# Allegro board 8880F5-0820_5.brd (continued)
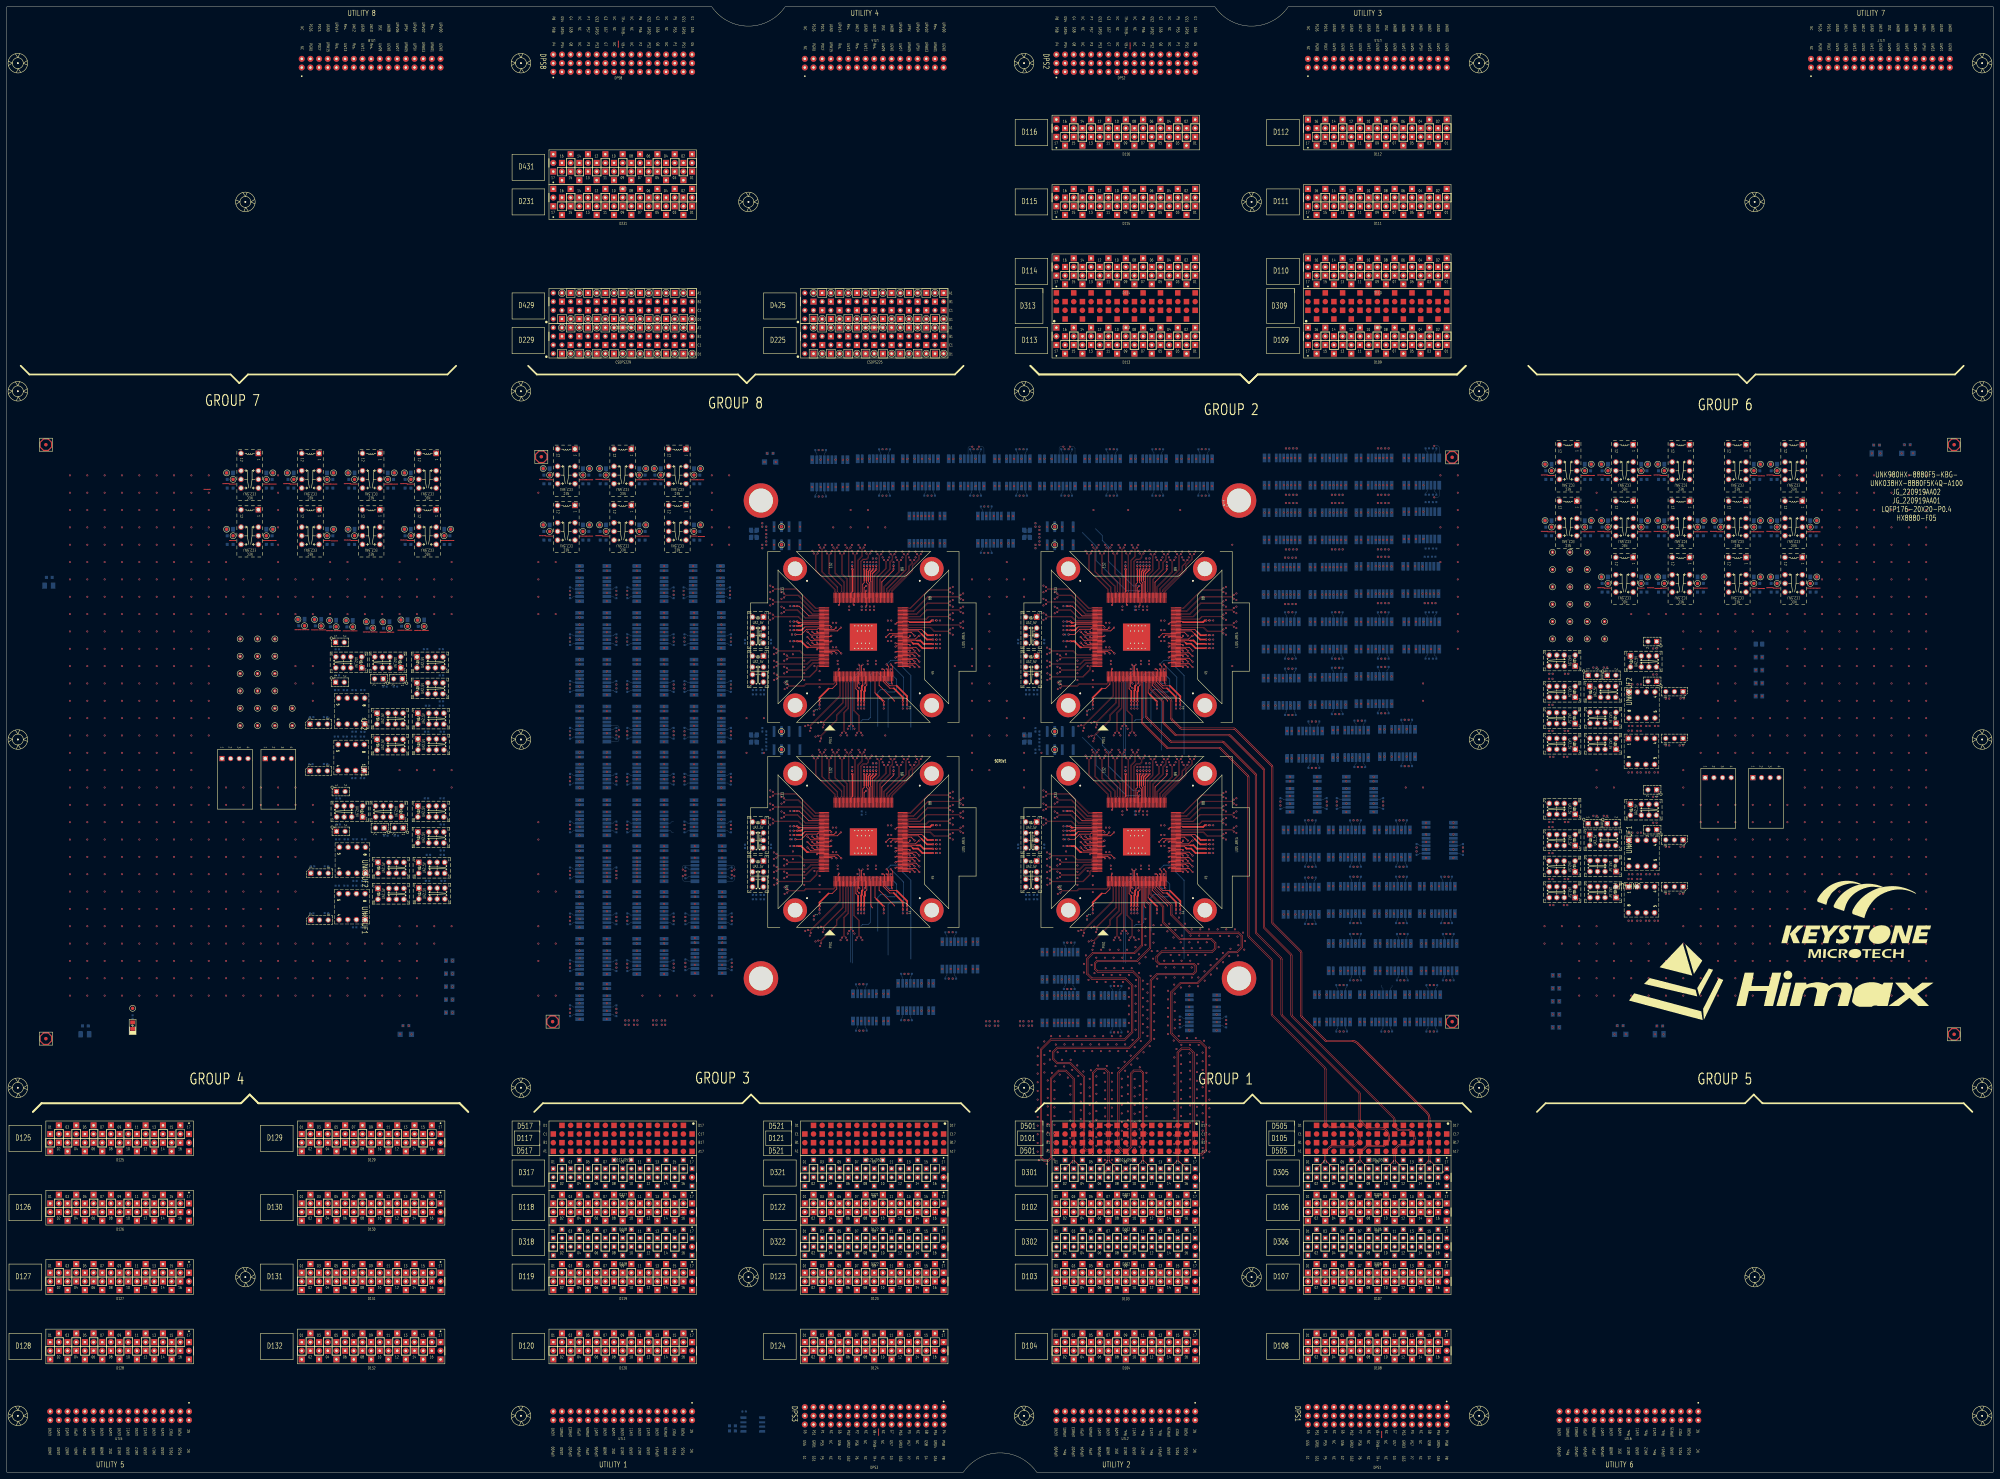
[diagram p0: board, top side]
## Routing (per net, layer and track width the routed paths; a pad name or vN(x,y) marks a point on that pad's centre or on a via; arc(x,y) is an arc through that point) (continued)
v1(329.11,122.03) v1(329.18,150.72) v1(329.27,119.4) v1(329.39,147.64) v1(329.64,126.65) v1(330.27,124.49) v1(330.24,115.18) v1(330.24,112.64) v1(330.24,110.1) v1(330.24,107.56) v1(330.24,105.02) v1(330.24,102.48) v1(330.24,99.94) v1(330.24,97.4) v1(330.24,94.86) v1(330.49,153.78) v1(330.53,142.33) v1(330.53,139.79) v1(330.53,137.25) v1(330.53,134.71) v1(330.53,132.17) v1(330.53,129.63) v1(330.63,252.59) v1(330.63,192.59) v1(330.68,144.21) v1(331.07,121.2) v1(331.44,161.22) v1(331.44,158.68) v1(331.44,156.14) v1(331.52,151.7) v1(331.53,146.28) v1(331.66,149.05) v1(331.74,118.61) v1(331.73,113.12) v1(331.73,110.58) v1(331.73,108.04) v1(331.73,105.5) v1(331.73,102.96) v1(331.73,100.42) v1(331.73,97.88) v1(331.73,95.34) v1(332.06,126.28) v1(332.61,296.86) v1(332.61,288.86) v1(332.65,143.99) v1(332.65,141.45) v1(332.65,138.91) v1(332.65,136.37) v1(332.65,133.83) v1(332.65,131.29) v1(332.65,128.75) v1(332.86,122.99) v1(333.42,162.1) v1(333.42,159.56) v1(333.42,157.02) v1(333.42,154.48) v1(333.45,150.84) v1(333.7,116.99) v1(333.7,114.45) v1(333.7,111.91) v1(333.7,109.37) v1(333.7,106.83) v1(333.7,104.29) v1(333.7,101.75) v1(333.7,99.21) v1(333.7,96.67) v1(333.7,94.13) v1(334.01,143.03) v1(334.01,140.49) v1(334.01,137.95) v1(334.01,135.41) v1(334.01,132.87) v1(334.01,130.33) v1(334.01,127.79) v1(334.61,267.66) v1(334.61,207.66) v1(334.66,124.79) v1(334.81,296.86) v1(334.81,288.86) v1(334.92,145.4) v1(335.25,152.64) v1(335.67,150.44) v1(335.77,160.2) v1(335.77,157.66) v1(335.77,155.12) v1(335.98,142.2) v1(335.98,139.66) v1(335.98,137.12) v1(335.98,134.58) v1(335.98,132.04) v1(335.98,129.5) v1(335.98,126.96) v1(336.82,148.17) v1(336.94,152.64) v1(336.88,144.57) v1(337.01,296.86) v1(337.01,288.86) v1(337.99,246.67) v1(337.99,186.67) v1(338.04,160.24) v1(338.92,149.82) v1(339.33,153.5) v1(339.33,147.85) v1(339.46,296.86) v1(339.46,288.86) v1(339.4,144.91) v1(339.84,158.44) v1(340.04,141.03) v1(340.02,138.49) v1(340.02,135.95) v1(340.02,133.41) v1(340.02,130.87) v1(340.02,128.33) v1(340.39,160.67) v1(340.8,151.53) v1(341.46,149.82) v1(341.64,156.64) v1(341.7,126.43) v1(341.87,153.5) v1(341.87,147.85) v1(341.84,142.83) v1(341.94,144.91) v1(341.89,121.5) v1(341.89,118.96) v1(341.89,116.42) v1(341.89,113.88) v1(341.89,111.34) v1(341.89,108.8) v1(341.89,106.26) v1(341.89,103.72) v1(341.89,101.18) v1(341.89,98.64) v1(341.89,96.1) v1(341.89,93.56) v1(341.99,140.18) v1(341.99,137.64) v1(341.99,135.1) v1(341.99,132.56) v1(341.99,130.02) v1(342.19,158.88) v1(342.51,123.96) v1(342.63,296.86) v1(342.63,288.86) v1(343.16,127.76) v1(343.21,162.47) v1(343.34,151.53) v1(343.6,281.85) v1(343.74,155.22) v1(343.78,141.98) v1(343.86,122.08) v1(343.86,119.54) v1(343.86,117) v1(343.86,114.46) v1(343.86,111.92) v1(343.86,109.38) v1(343.86,106.84) v1(343.86,104.3) v1(343.86,101.76) v1(343.86,99.22) v1(343.86,96.68) v1(343.86,94.14) v1(343.92,125.19) v1(344,149.82) v1(344.09,157.19) v1(344.41,153.5) v1(344.41,147.85) v1(344.48,144.91) v1(345.01,160.68) v1(345.63,127.17) v1(345.88,151.53) v1(346.08,296.86) v1(346.08,288.86) v1(346.28,155.22) v1(346.27,139.72) v1(346.27,136.27) v1(346.27,134.07) v1(346.27,131.87) v1(346.27,129.42) v1(346.29,142.34) v1(346.32,122.68) v1(346.46,125.19) v1(346.54,149.82) v1(346.52,120.15) v1(346.52,117.61) v1(346.52,115.07) v1(346.52,112.53) v1(346.52,109.99) v1(346.52,107.45) v1(346.52,104.91) v1(346.52,102.37) v1(346.52,99.83) v1(346.52,97.29) v1(346.52,94.75) v1(346.63,157.19) v1(346.93,159.01) v1(346.95,153.5) v1(346.95,147.85) v1(347.02,144.91) v1(347.81,92.56) v1(348.17,127.17) v1(348.28,296.86) v1(348.28,288.86) v1(348.42,151.53) v1(348.49,122.29) v1(348.49,119.75) v1(348.49,117.21) v1(348.49,114.67) v1(348.49,112.13) v1(348.49,109.59) v1(348.49,107.05) v1(348.49,104.51) v1(348.49,101.97) v1(348.49,99.43) v1(348.49,96.89) v1(348.82,155.22) v1(348.83,142.34) v1(348.91,148.9) v1(348.91,144.92) v1(349,125.17) v1(349.17,157.19) v1(349.47,159.01) v1(349.49,153.5) v1(350.17,122.92) v1(350.17,120.38) v1(350.17,117.84) v1(350.17,115.3) v1(350.17,112.76) v1(350.17,110.22) v1(350.17,107.68) v1(350.17,105.14) v1(350.17,102.6) v1(350.17,100.06) v1(350.17,97.52) v1(350.17,94.98) v1(350.31,92.12) v1(350.48,296.86) v1(350.48,288.86) v1(350.58,126.38) v1(350.71,146.72) v1(350.77,143.99) v1(350.96,151.53) v1(351.36,155.22) v1(351.71,157.19) v1(352.01,159.01) v1(352.14,124.37) v1(352.14,121.83) v1(352.14,119.29) v1(352.14,116.75) v1(352.14,114.21) v1(352.14,111.67) v1(352.14,109.13) v1(352.14,106.59) v1(352.14,104.05) v1(352.14,101.51) v1(352.14,98.97) v1(352.14,96.43) v1(352.13,93.89) v1(352.5,148.51) v1(352.56,145.78) v1(352.93,296.86) v1(352.93,288.86) v1(354.27,139.72) v1(354.27,136.27) v1(354.27,134.07) v1(354.27,131.87) v1(354.27,129.42) v1(354.3,150.31) v1(354.36,147.58) v1(354.55,159.01) v1(354.85,153.79) v1(355.29,157.04) v1(356.1,152.1) v1(356.15,149.37) v1(357.09,159.01) v1(357.83,157.04) v1(357.95,151.17) v1(358.32,153.33) v1(358.84,271.69) v1(358.84,236.13) v1(359.63,159.01) v1(360.37,156.9) v1(360.48,151.36) v1(360.64,154.37) v1(361.99,158.07) v1(362.36,153.08) v1(362.61,155.6) v1(368.03,265.11) v1(368.03,257.11) v1(368.03,249.11) v1(368.03,241.11) v1(368.03,232.6) v1(368.03,224.6) v1(368.28,297.12) v1(368.28,289.12) v1(368.28,281.11) v1(368.28,273.11) v1(371.48,265.11) v1(371.48,257.11) v1(371.48,249.11) v1(371.48,241.11) v1(371.48,232.6) v1(371.48,224.6) v1(371.73,297.12) v1(371.73,289.12) v1(371.73,281.11) v1(371.73,273.11) v1(373.68,265.11) v1(373.68,257.11) v1(373.68,249.11) v1(373.68,241.11) v1(373.68,232.6) v1(373.68,224.6) v1(373.87,188.15) v1(373.87,180.15) v1(373.87,171.39) v1(373.87,163.39) v1(373.93,297.12) v1(373.93,289.12) v1(373.93,281.11) v1(373.93,273.11) v1(374.88,217.11) v1(374.88,209.11) v1(375.73,203.73) v1(375.73,200.28) v1(375.73,198.08) v1(375.73,195.88) v1(375.73,193.43) v1(375.88,265.11) v1(375.88,257.11) v1(375.88,249.11) v1(375.88,241.11) v1(375.88,232.6) v1(375.88,224.6) v1(376.13,297.12) v1(376.13,289.12) v1(376.13,281.11) v1(376.13,273.11) v1(377.32,188.15) v1(377.32,180.15) v1(377.32,171.39) v1(377.32,163.39) v1(378.33,265.11) v1(378.33,257.11) v1(378.33,249.11) v1(378.33,241.11) v1(378.33,232.6) v1(378.33,224.6) v1(378.33,217.11) v1(378.33,209.11) v1(378.58,297.12) v1(378.58,289.12) v1(378.58,281.11) v1(378.58,273.11) v1(379.52,188.15) v1(379.52,180.15) v1(379.52,171.39) v1(379.52,163.39) v1(380.53,217.11) v1(380.53,209.11) v1(381.74,297.12) v1(381.74,289.12) v1(381.74,281.11) v1(381.74,273.11) v1(381.74,265.11) v1(381.74,257.11) v1(381.74,249.11) v1(381.74,241.11) v1(381.74,232.85) v1(381.74,224.85) v1(381.72,188.15) v1(381.72,180.15) v1(381.72,171.39) v1(381.72,163.39) v1(382.73,217.11) v1(382.73,209.11) v1(383.01,139.89) v1(383.01,131.89) v1(383.73,203.73) v1(383.73,200.28) v1(383.73,198.08) v1(383.73,195.88) v1(383.73,193.43) v1(384.17,188.15) v1(384.17,180.15) v1(384.17,171.39) v1(384.17,163.39) v1(385.19,297.12) v1(385.19,289.12) v1(385.19,281.11) v1(385.19,273.11) v1(385.19,265.11) v1(385.19,257.11) v1(385.19,249.11) v1(385.19,241.11) v1(385.19,232.85) v1(385.19,224.85) v1(385.18,217.11) v1(385.18,209.11) v1(386.46,139.89) v1(386.46,131.89) v1(387.08,188.15) v1(387.08,180.15) v1(387.08,171.64) v1(387.08,163.64) v1(387.08,154.88) v1(387.08,146.88) v1(387.39,297.12) v1(387.39,289.12) v1(387.39,281.11) v1(387.39,273.11) v1(387.39,265.11) v1(387.39,257.11) v1(387.39,249.11) v1(387.39,241.11) v1(387.39,232.85) v1(387.39,224.85) v1(388.35,217.36) v1(388.35,209.36) v1(388.66,139.89) v1(388.66,131.89) v1(389.59,297.12) v1(389.59,289.12) v1(389.59,281.11) v1(389.59,273.11) v1(389.59,265.11) v1(389.59,257.11) v1(389.59,249.11) v1(389.59,241.11) v1(389.59,232.85) v1(389.59,224.85) v1(390.53,188.15) v1(390.53,180.15) v1(390.53,171.64) v1(390.53,163.64) v1(390.53,154.88) v1(390.53,146.88) v1(390.86,139.89) v1(390.86,131.89) v1(391.8,217.36) v1(391.8,209.36) v1(392.04,297.12) v1(392.04,289.12) v1(392.04,281.11) v1(392.04,273.11) v1(392.04,265.11) v1(392.04,257.11) v1(392.04,249.11) v1(392.04,241.11) v1(392.04,232.85) v1(392.04,224.85) v1(392.24,203.73) v1(392.24,200.28) v1(392.24,198.08) v1(392.24,195.88) v1(392.24,193.43) v1(392.73,188.15) v1(392.73,180.15) v1(392.73,171.64) v1(392.73,163.64) v1(392.73,154.88) v1(392.73,146.88) v1(393.31,139.89) v1(393.31,131.89) v1(394,217.36) v1(394,209.36) v1(394.93,188.15) v1(394.93,180.15) v1(394.93,171.64) v1(394.93,163.64) v1(394.93,154.88) v1(394.93,146.88) v1(395.2,297.12) v1(395.2,289.12) v1(395.2,281.11) v1(395.2,273.11) v1(395.2,265.37) v1(395.2,257.37) v1(395.2,249.11) v1(395.2,241.11) v1(395.2,233.11) v1(395.2,225.11) v1(396.2,217.36) v1(396.2,209.36) v1(396.22,139.89) v1(396.22,131.89) v1(397.38,188.15) v1(397.38,180.15) v1(397.38,171.64) v1(397.38,163.64) v1(397.38,154.88) v1(397.38,146.88) v1(398.65,297.12) v1(398.65,289.12) v1(398.65,281.11) v1(398.65,273.11) v1(398.65,265.37) v1(398.65,257.37) v1(398.65,249.11) v1(398.65,241.11) v1(398.65,233.11) v1(398.65,225.11) v1(398.65,217.36) v1(398.65,209.36) v1(399.67,139.89) v1(399.67,131.89) v1(400.24,203.73) v1(400.24,200.28) v1(400.24,198.08) v1(400.24,195.88) v1(400.24,193.43) v1(400.54,188.15) v1(400.54,180.15) v1(400.54,171.64) v1(400.54,163.64) v1(400.85,297.12) v1(400.85,289.12) v1(400.85,281.11) v1(400.85,273.11) v1(400.85,265.37) v1(400.85,257.37) v1(400.85,249.11) v1(400.85,241.11) v1(400.85,233.11) v1(400.85,225.11) v1(400.79,154.88) v1(400.79,146.88) v1(401.87,139.89) v1(401.87,131.89) v1(402.06,217.61) v1(402.06,209.61) v1(403.05,297.12) v1(403.05,289.12) v1(403.05,281.11) v1(403.05,273.11) v1(403.05,265.37) v1(403.05,257.37) v1(403.05,249.11) v1(403.05,241.11) v1(403.05,233.11) v1(403.05,225.11) v1(403.99,188.15) v1(403.99,180.15) v1(403.99,171.64) v1(403.99,163.64) v1(404.07,139.89) v1(404.07,131.89) v1(404.24,154.88) v1(404.24,146.88) v1(405.5,297.12) v1(405.5,289.12) v1(405.5,281.11) v1(405.5,273.11) v1(405.5,265.37) v1(405.5,257.37) v1(405.5,249.11) v1(405.5,241.11) v1(405.5,233.11) v1(405.5,225.11) v1(405.51,217.61) v1(405.51,209.61) v1(406.19,188.15) v1(406.19,180.15) v1(406.19,171.64) v1(406.19,163.64) v1(406.44,154.88) v1(406.44,146.88) v1(406.52,139.89) v1(406.52,131.89) v1(407.71,217.61) v1(407.71,209.61) v1(408.39,188.15) v1(408.39,180.15) v1(408.39,171.64) v1(408.39,163.64) v1(408.64,154.88) v1(408.64,146.88) v1(408.92,265.37) v1(408.92,257.37) v1(409.17,297.12) v1(409.17,289.12) v1(409.17,281.37) v1(409.17,273.37) v1(409.17,249.11) v1(409.17,241.11) v1(409.43,139.89) v1(409.43,131.89) v1(409.64,200.57) v1(409.91,217.61) v1(409.91,209.61) v1(410.84,188.15) v1(410.84,180.15) v1(410.84,171.64) v1(410.84,163.64) v1(411.09,154.88) v1(411.09,146.88) v1(412.37,265.37) v1(412.37,257.37) v1(412.36,217.61) v1(412.36,209.61) v1(412.62,297.12) v1(412.62,289.12) v1(412.62,281.37) v1(412.62,273.37) v1(412.62,249.11) v1(412.62,241.11) v1(412.88,139.89) v1(412.88,131.89) v1(413.75,171.64) v1(413.75,163.64) v1(414.02,90.11) v1(414.25,154.88) v1(414.25,146.88) v1(414.57,265.37) v1(414.57,257.37) v1(414.72,231.05) v1(414.72,225.97) v1(414.72,200.57) v1(414.82,297.12) v1(414.82,289.12) v1(414.82,281.37) v1(414.82,273.37) v1(414.82,249.11) v1(414.82,241.11) v1(415.08,139.89) v1(415.08,131.89) v1(415.61,190.27) v1(415.61,186.82) v1(415.61,184.62) v1(415.61,182.42) v1(415.61,179.97) v1(416.77,257.37) v1(417.02,249.11) v1(417.02,241.11) v1(417.2,171.64) v1(417.2,163.64) v1(417.28,139.89) v1(417.28,131.89) v1(417.7,154.88) v1(417.7,146.88) v1(419.22,257.37) v1(419.47,249.11) v1(419.47,241.11) v1(419.4,171.64) v1(419.4,163.64) v1(419.73,139.89) v1(419.73,131.89) v1(419.8,292.01) v1(419.8,276.77) v1(419.8,266.61) v1(419.9,154.88) v1(419.9,146.88) v1(420.61,87.99) v1(421.6,171.64) v1(421.6,163.64) v1(422.1,154.88) v1(422.1,146.88) v1(423.61,190.27) v1(423.61,186.82) v1(423.61,184.62) v1(423.61,182.42) v1(423.61,179.97) v1(424.05,171.64) v1(424.05,163.64) v1(424.55,154.88) v1(424.55,146.88) v1(424.88,292.01) v1(424.88,286.93) v1(424.88,281.85) v1(424.88,276.77) v1(424.88,271.69) v1(424.88,266.61) v1(424.88,261.53) v1(424.88,256.45) v1(424.88,251.37) v1(424.88,246.29) v1(424.88,241.21) v1(450.28,159.93) v1(450.28,154.85) v1(452.68,233.88) v1(452.68,190.45) v1(452.68,145.54) v1(452.68,141.73) v1(454.61,137.92) v1(454.61,134.11) v1(454.61,130.3) v1(455.36,159.93) v1(455.36,154.85) v1(460.44,159.93) v1(460.44,154.85) v1(460.44,149.77) v1(460.44,144.69) v1(460.44,139.61) v1(465.52,286.93) v1(465.52,281.85) v1(465.52,205.65) v1(465.52,200.57) v1(465.52,159.93) v1(465.52,154.85) v1(465.52,149.77) v1(465.52,144.69) v1(465.52,139.61) v1(467.62,235.71) v1(467.62,192.28) v1(470.6,200.57) v1(470.6,154.85) v1(470.6,149.77) v1(470.6,144.69) v1(470.6,139.61) v1(475.68,251.37) v1(475.68,154.85) v1(475.68,149.77) v1(475.68,144.69) v1(475.68,139.61) v1(475.89,204.98) v1(475.89,161.55) v1(475.99,218.59) v1(475.99,175.15) v1(480.76,251.37) v1(480.76,154.85) v1(480.76,149.77) v1(480.76,144.69) v1(480.76,139.61) v1(485.84,251.37) v1(485.84,154.85) v1(485.84,149.77) v1(485.84,144.69) v1(485.84,139.61) v1(486.8,226.62) v1(486.8,212.91) v1(486.8,183.19) v1(486.8,169.47) v1(490.92,251.37) v1(490.92,246.29) v1(490.92,241.21) v1(490.92,236.13) v1(490.92,220.89) v1(490.92,205.65) v1(490.92,200.57) v1(490.92,195.49) v1(490.92,159.93) v1(490.92,154.85) v1(490.92,149.77) v1(490.92,144.69) v1(490.92,139.61) v1(496,251.37) v1(496,246.29) v1(496,241.21) v1(496,236.13) v1(496,220.89) v1(496,210.73) v1(496,195.49) v1(496,190.41) v1(496,180.25) v1(496,175.17) v1(496,165.01) v1(496,159.93) v1(496,154.85) v1(496,149.77) v1(496,144.69) v1(496,139.61) v1(501.08,251.37) v1(501.08,246.29) v1(501.08,241.21) v1(501.08,236.13) v1(501.08,231.05) v1(501.08,225.97) v1(501.08,220.89) v1(501.08,215.81) v1(501.08,210.73) v1(501.08,195.49) v1(501.08,190.41) v1(501.08,185.33) v1(501.08,180.25) v1(501.08,175.17) v1(501.08,170.09) v1(501.08,165.01) v1(501.08,159.93) v1(501.08,154.85) v1(501.08,149.77) v1(501.08,144.69) v1(501.08,139.61) v1(506.16,251.37) v1(506.16,246.29) v1(506.16,241.21) v1(506.16,236.13) v1(506.16,231.05) v1(506.16,225.97) v1(506.16,220.89) v1(506.16,215.81) v1(506.16,210.73) v1(506.16,195.49) v1(506.16,190.41) v1(506.16,185.33) v1(506.16,180.25) v1(506.16,175.17) v1(506.16,170.09) v1(506.16,165.01) v1(506.16,159.93) v1(506.16,154.85) v1(506.16,149.77) v1(506.16,144.69) v1(506.16,139.61) v1(511.24,251.37) v1(511.24,246.29) v1(511.24,220.89) v1(511.24,215.81) v1(511.24,210.73) v1(511.24,195.49) v1(511.24,190.41) v1(511.24,185.33) v1(511.24,180.25) v1(511.24,175.17) v1(511.24,170.09) v1(511.24,165.01) v1(511.24,159.93) v1(511.24,154.85) v1(511.24,149.77) v1(511.24,144.69) v1(511.24,139.61) v1(514.05,238.76) v1(514.05,234.95) v1(514.05,231.14) v1(514.05,227.33) v1(516.32,251.37) v1(516.32,246.29) v1(516.32,220.89) v1(516.32,215.81) v1(516.32,210.73) v1(516.32,195.49) v1(516.32,190.41) v1(516.32,185.33) v1(516.32,180.25) v1(516.32,175.17) v1(516.32,170.09) v1(516.32,165.01) v1(516.32,159.93) v1(516.32,154.85) v1(516.32,149.77) v1(516.32,144.69) v1(516.32,139.61) v1(521.4,251.37) v1(521.4,246.29) v1(521.4,241.21) v1(521.4,236.13) v1(521.4,231.05) v1(521.4,225.97) v1(521.4,220.89) v1(521.4,215.81) v1(521.4,210.73) v1(521.4,195.49) v1(521.4,190.41) v1(521.4,185.33) v1(521.4,180.25) v1(521.4,175.17) v1(521.4,170.09) v1(521.4,165.01) v1(521.4,159.93) v1(521.4,154.85) v1(521.4,149.77) v1(521.4,144.69) v1(521.4,139.61) v1(526.48,251.37) v1(526.48,246.29) v1(526.48,241.21) v1(526.48,236.13) v1(526.48,231.05) v1(526.48,225.97) v1(526.48,220.89) v1(526.48,215.81) v1(526.48,210.73) v1(526.48,205.65) v1(526.48,200.57) v1(526.48,195.49) v1(526.48,190.41) v1(526.48,185.33) v1(526.48,180.25) v1(526.48,175.17) v1(526.48,170.09) v1(526.48,165.01) v1(526.48,159.93) v1(526.48,154.85) v1(526.48,149.77) v1(526.48,144.69) v1(526.48,139.61) v1(531.56,292.01) v1(531.56,286.93) v1(531.56,281.85) v1(531.56,276.77) v1(531.56,271.69) v1(531.56,266.61) v1(531.56,261.53) v1(531.56,256.45) v1(531.56,251.37) v1(531.56,246.29) v1(531.56,241.21) v1(531.56,236.13) v1(531.56,231.05) v1(531.56,225.97) v1(531.56,220.89) v1(531.56,215.81) v1(531.56,210.73) v1(531.56,205.65) v1(531.56,200.57) v1(531.56,195.49) v1(531.56,190.41) v1(531.56,185.33) v1(531.56,180.25) v1(531.56,175.17) v1(531.56,165.01) v1(531.56,159.93) v1(531.56,154.85) v1(531.56,149.77) v1(531.56,144.69) v1(531.56,139.61) v1(536.64,292.01) v1(536.64,286.93) v1(536.64,281.85) v1(536.64,276.77) v1(536.64,271.69) v1(536.64,266.61) v1(536.64,261.53) v1(536.64,256.45) v1(536.64,251.37) v1(536.64,246.29) v1(536.64,241.21) v1(536.64,236.13) v1(536.64,231.05) v1(536.64,225.97) v1(536.64,220.89) v1(536.64,215.81) v1(536.64,210.73) v1(536.64,205.65) v1(536.64,200.57) v1(536.64,195.49) v1(536.64,190.41) v1(536.64,185.33) v1(536.64,180.25) v1(536.64,175.17) v1(536.64,170.09) v1(536.64,159.93) v1(536.64,154.85) v1(536.64,149.77) v1(536.64,144.69) v1(536.64,139.61) v1(541.72,292.01) v1(541.72,286.93) v1(541.72,281.85) v1(541.72,276.77) v1(541.72,271.69) v1(541.72,266.61) v1(541.72,261.53) v1(541.72,256.45) v1(541.72,251.37) v1(541.72,246.29) v1(541.72,241.21) v1(541.72,236.13) v1(541.72,231.05) v1(541.72,225.97) v1(541.72,220.89) v1(541.72,215.81) v1(541.72,210.73) v1(541.72,205.65) v1(541.72,200.57) v1(541.72,195.49) v1(541.72,190.41) v1(541.72,185.33) v1(541.72,180.25) v1(541.72,175.17) v1(541.72,159.93) v1(541.72,154.85) v1(541.72,149.77) v1(541.72,144.69) v1(541.72,139.61) v1(546.8,292.01) v1(546.8,286.93) v1(546.8,281.85) v1(546.8,276.77) v1(546.8,271.69) v1(546.8,266.61) v1(546.8,261.53) v1(546.8,256.45) v1(546.8,251.37) v1(546.8,246.29) v1(546.8,241.21) v1(546.8,236.13) v1(546.8,231.05) v1(546.8,225.97) v1(546.8,220.89) v1(546.8,215.81) v1(546.8,210.73) v1(546.8,205.65) v1(546.8,200.57) v1(546.8,195.49) v1(546.8,190.41) v1(546.8,185.33) v1(546.8,180.25) v1(546.8,175.17) v1(546.8,165.01) v1(546.8,159.93) v1(546.8,154.85) v1(546.8,149.77) v1(546.8,144.69) v1(546.8,139.61) v1(551.88,292.01) v1(551.88,286.93) v1(551.88,281.85) v1(551.88,276.77) v1(551.88,271.69) v1(551.88,266.61) v1(551.88,261.53) v1(551.88,256.45) v1(551.88,251.37) v1(551.88,246.29) v1(551.88,241.21) v1(551.88,236.13) v1(551.88,231.05) v1(551.88,225.97) v1(551.88,220.89) v1(551.88,215.81) v1(551.88,210.73) v1(551.88,205.65) v1(551.88,200.57) v1(551.88,195.49) v1(551.88,190.41) v1(551.88,185.33) v1(551.88,180.25) v1(551.88,175.17) v1(551.88,165.01) v1(551.88,159.93) v1(551.88,154.85) v1(551.88,149.77) v1(551.88,144.69) v1(551.88,139.61) v1(556.96,292.01) v1(556.96,286.93) v1(556.96,281.85) v1(556.96,276.77) v1(556.96,271.69) v1(556.96,266.61) v1(556.96,261.53) v1(556.96,256.45) v1(556.96,251.37) v1(556.96,246.29) v1(556.96,241.21) v1(556.96,236.13) v1(556.96,231.05) v1(556.96,225.97) v1(556.96,220.89) v1(556.96,215.81) v1(556.96,210.73) v1(556.96,205.65) v1(556.96,200.57) v1(556.96,195.49) v1(556.96,190.41) v1(556.96,185.33) v1(556.96,180.25) v1(556.96,175.17) v1(556.96,165.01) v1(556.96,159.93) v1(556.96,154.85) v1(556.96,149.77) v1(556.96,144.69) v1(556.96,139.61) v1(562.04,292.01) v1(562.04,286.93) v1(562.04,281.85) v1(562.04,276.77) v1(562.04,271.69) v1(562.04,266.61) v1(562.04,261.53) v1(562.04,256.45) v1(562.04,251.37) v1(562.04,246.29) v1(562.04,241.21) v1(562.04,236.13) v1(562.04,231.05) v1(562.04,225.97) v1(562.04,220.89) v1(562.04,215.81) v1(562.04,210.73) v1(562.04,205.65) v1(562.04,200.57) v1(562.04,195.49) v1(562.04,190.41) v1(562.04,185.33) v1(562.04,180.25) v1(562.04,175.17) v1(562.04,170.09) v1(562.04,165.01) v1(562.04,159.93) v1(562.04,154.85) v1(562.04,149.77) v1(562.04,144.69) v1(562.04,139.61)
